# Allegro board 038RT-9068CJK8E-A100_0921.brd (continued)
## Routing (per net, layer and track width the routed paths; a pad name or vN(x,y) marks a point on that pad's centre or on a via; arc(x,y) is an arc through that point) (continued)
SLOT2.CH51: length 252.7
  L21_SIGNAL w0.105: SLOT2-DOWN.A11 256.81,111.66 250.96,111.66 250.25,110.95 248.37,110.95 247.55,111.77 240.24,111.77 237.78,114.24 237.78,154.27 232.64,159.41 197.5,159.41 178.22,178.69 111.74,178.69 102.85,187.58 102.85,228.44 v1(102.23,229.07)
  BOTTOM w0.115: v1(102.23,229.07) RR515.2
SLOT2.CH52: length 245.9
  L21_SIGNAL w0.105: v1(104.26,229.07) 103.36,228.17 103.36,188.09 112,179.45 178.54,179.45 196.9,161.09 233.23,161.09 238.44,155.88 238.44,117.86 242.45,113.84 247.51,113.84 248.4,112.95 250.49,112.95 251.09,113.55 252.83,113.55 SLOT2-DOWN.C11
  BOTTOM w0.115: v1(104.26,229.07) RR514.2
SLOT2.CH53: length 255.5
  L21_SIGNAL w0.105: SLOT2-DOWN.B10 254.79,109.64 250.89,109.64 250.15,108.9 248.42,108.9 247.52,109.8 239.43,109.8 236.6,112.64 236.6,153.51 232,158.1 197.73,158.1 177.91,177.93 111.49,177.93 102.47,186.94 102.47,227.58 101.46,228.6 101.46,229.87 v1(100.2,231.13)
  BOTTOM w0.115: v1(100.2,231.13) RR511.2
SLOT2.CH54: length 437.4
  L34_SIGNAL w0.105: UNK3K182.5 521.63,241.69 515.47,235.54 515.47,104.49 498.42,87.43 269.85,87.43 258.57,98.72 258.57,107.81 SLOT2-DOWN.A9
SLOT2.CH55: length 401.7
  L32_SIGNAL w0.105: UNK1K182.5 521.63,183.55 518.68,180.61 518.68,101.32 503.73,86.37 270.94,86.37 259.19,98.12 259.19,106.81 258.3,107.7 254.68,107.7 SLOT2-DOWN.C9
SLOT2.CH56: length 297.6
  L34_SIGNAL w0.105: UNK2K182.5 148.19,255.68 148.19,189.61 146.73,188.15 146.73,182.31 148.32,180.72 148.32,126.66 187.1,87.88 235.57,87.88 242.3,94.62 242.3,103.89 246.24,107.82 247.63,107.82 248.52,108.71 249.79,108.71 250.94,107.57 254.81,107.57 SLOT2-DOWN.B8
SLOT2.CH57: length 263.5
  L21_SIGNAL w0.105: SLOT2-DOWN.A7 256.82,105.56 251.19,105.56 250.49,104.86 248.64,104.86 247.89,105.61 246.86,105.61 246.14,104.89 238.16,104.89 235.4,107.65 235.4,149.59 230.26,154.74 196.25,154.74 176.49,174.5 110.22,174.5 101.46,183.26 101.46,225.04 97.43,229.07 v1(96.13,229.07)
  BOTTOM w0.115: v1(96.13,229.07) RR512.2
SLOT2.CH58: length 243.9
  L32_SIGNAL w0.105: K182.5 164.45,225.53 164.45,198.37 163.43,197.36 163.43,189.61 162.04,188.21 162.04,181.99 154.16,174.12 154.16,117.73 180.7,91.19 234.17,91.19 235.31,92.33 235.31,100.97 237.85,103.5 244.59,103.5 246.87,105.79 247.76,105.79 248.52,105.03 250.55,105.03 251.19,105.66 252.71,105.66 SLOT2-DOWN.C7
SLOT2.CH59: length 265.9
  L21_SIGNAL w0.105: SLOT2-DOWN.B6 254.71,103.67 250.97,103.67 250.34,103.04 248.4,103.04 247.53,103.9 237.18,103.9 234.6,106.48 234.6,148.64 229.84,153.4 196.33,153.4 176.12,173.61 109.84,173.61 100.95,182.5 100.95,225.04 97.77,228.22 95.74,228.22 95.11,228.85 95.11,230.13 v1(94.1,231.13)
  BOTTOM w0.115: v1(94.1,231.13) RR513.2
SLOT2.CH60: length 207
  L21_SIGNAL w0.105: S0_TAPSL1.2 98.03,42.12 98.03,67.06 117.33,86.36 237.98,86.36 243.34,91.72 243.34,97.88 245.08,99.62 247.24,99.62 248.15,100.53 249.82,100.53 250.67,99.68 256.84,99.68 SLOT2-DOWN.A5
  BOTTOM w0.115: RD80.2 S0_TAPSL1.2
SLOT2.CH61: length 211.1
  L21_SIGNAL w0.105: SLOT2-DOWN.C5 252.71,101.66 250.67,101.66 250.14,101.13 248.38,101.13 247.98,101.54 245.63,101.54 242.26,98.17 242.26,91.68 239.81,89.23 114.62,89.23 87.87,62.48 87.87,42.12 S0_TAPSL0.2
  BOTTOM w0.115: RD79.2 S0_TAPSL0.2
SLOT2.CH62: length 153.3
  L21_SIGNAL w0.105: SLOT2-DOWN.B4 254.77,97.61 251.01,97.61 249.96,98.67 248.13,98.67 245.75,96.29 245.75,89.56 239.82,83.63 163.62,83.63 155.94,75.95 155.94,42.76 K82.3
SLOT2.CH63: length 336.8
  L21_SIGNAL w0.105: UNK1K82.3 539.72,35.93 539.72,59.84 534.62,64.95 269.65,64.95 260.97,73.62 260.97,93.41 SLOT2-DOWN.A3
SLOT2.CH64: length 154.6
  L44_SIGNAL w0.105: UNK2K7.10 133.08,430.71 133.08,425.07 157.34,400.81 244.71,400.81 251.77,393.76 SLOT2-UP.D27
SLOT2.CH65: length 184.8
  L21_SIGNAL w0.105: SLOT2-UP.F27 245.55,380.49 245.55,394.9 228.84,411.61 111.36,411.61 104.5,418.47 104.5,431.96 S2_TAPSL1.2
  BOTTOM w0.115: UNK2RD80.2 S2_TAPSL1.2
SLOT2.CH66: length 360.6
  L21_SIGNAL w0.105: SLOT2-UP.E25 249,376.46 247.76,377.7 245.92,377.7 244.65,378.97 244.65,394.53 227.95,411.23 138.41,411.23 68.94,341.76 68.94,337.57 64.37,332.99 60.69,332.99 58.78,331.09 58.78,281.05 82.15,257.68 82.15,232.92 v1(83.94,231.13)
  BOTTOM w0.115: v1(83.94,231.13) RR914.2
SLOT2.CH67: length 571.8
  TOP w0.115: v2(284.92,451.66) v2(284.92,449.12) 286.9,447.14 286.9,443.15 286.26,442.51 UNK2HOST1.26
  L19_SIGNAL w0.105: SLOT2-UP.D25 250.7,375.6 250.7,379.22 249.38,380.54 196.77,380.54 182.41,366.19 51.33,366.19 46.53,370.98 46.53,405.17 49.63,408.27 55.62,408.27 58.32,410.97 58.32,466.08 63.41,471.17 267.18,471.17 284.15,454.19 284.15,452.43 v2(284.92,451.66)
SLOT2.CH68: length 353.4
  L21_SIGNAL w0.105: SLOT2-UP.F25 244.2,377.83 244.2,393.7 227.87,410.03 140.65,410.03 93.9,363.28 93.9,360.62 62.85,329.56 62.85,278.26 84.57,256.54 84.57,230.47 v1(85.97,229.07)
  BOTTOM w0.115: v1(85.97,229.07) RR915.2
SLOT2.CH69: length 323.9
  L21_SIGNAL w0.105: v1(88,231.13) 85.84,233.3 85.84,244.86 86.47,245.49 86.47,255.78 82.53,259.71 82.53,278.76 81.14,280.16 81.14,300.48 77.58,304.04 77.58,337.69 136.54,396.65 232.49,396.65 243.7,385.44 243.7,374.78 246.71,371.77 SLOT2-UP.E23
  BOTTOM w0.115: v1(88,231.13) RR910.2
SLOT2.CH70: length 419
  L34_SIGNAL w0.105: SLOT2-UP.D23 252.7,371.48 258.17,371.48 259.32,372.62 259.32,379.33 266.28,386.29 491.47,386.29 508.87,368.89 508.87,225.66 v1(508.14,224.93)
SLOT2.CH71: length 372.8
  L32_SIGNAL w0.105: SLOT2-UP.F23 249.85,370.77 250.55,371.48 258.56,371.48 265.25,378.17 265.25,379.39 268.35,382.5 496.04,382.5 508.14,370.39 v1(508.14,269.05)
SLOT2.CH72: length 192.7
  L34_SIGNAL w0.105: v2(184.38,223.4) 185.28,224.3 185.28,257.43 187.69,259.84 187.69,279.91 189.09,281.31 189.09,287.15 195.18,293.24 195.18,311.66 198.23,314.71 224.14,314.71 234.43,324.99 234.43,364.11 238.08,367.77 SLOT2-UP.E21
SLOT2.CH73: length 161.8
  L32_SIGNAL w0.105: SLOT2-UP.D21 248.54,366.54 247.89,365.89 246.62,365.89 245.35,367.16 236.33,367.16 235.31,366.14 235.31,324.74 232.01,321.44 191.88,321.44 183.24,312.8 183.24,268.68 v2(182.09,267.53)
SLOT2.CH74: length 324.6
  L21_SIGNAL w0.102: 84.36,258.65 84.41,258.6
  L21_SIGNAL w0.105: 84.41,258.6 89.52,253.49 89.52,229.59 v1(90.04,229.07) ; 84.36,258.65 84.06,258.95 84.06,281.69 82.28,283.46 82.28,336.68 140.33,394.73 232.89,394.73 242.02,385.59 242.02,366.04 243.19,364.87 245.38,364.87 SLOT2-UP.F21
  BOTTOM w0.115: v1(90.04,229.07) RR911.2
SLOT2.CH75: length 328.7
  L21_SIGNAL w0.102: 84.44,273.84 84.44,259.08 84.92,258.6
  L21_SIGNAL w0.105: 84.92,258.6 90.53,252.98 90.53,244.47 91.42,243.59 91.42,229.71 v1(92.07,229.07) ; 84.44,273.84 84.44,281.94 82.91,283.46 82.91,336.8 140.48,394.37 232.74,394.37 241.66,385.44 241.66,362.84 242.17,362.33 245.6,362.33 247.04,363.77 SLOT2-UP.E19
  BOTTOM w0.115: v1(92.07,229.07) RR913.2
SLOT2.CH76: length 185
  L21_SIGNAL w0.105: SLOT2-UP.D19 252.95,363.73 258.43,363.73 265.41,370.71 265.41,380.49 272.4,387.48 289.8,387.48 299.7,377.57 299.7,332.36 316.85,315.21 316.85,277.88 315.83,276.86 315.83,271.14 v1(313.76,269.07)
SLOT2.CH77: length 256.9
  L21_SIGNAL w0.105: v1(83.94,291.13) 83.94,293.38 95.11,304.55 95.11,345.59 141.34,391.83 234.01,391.83 240.14,385.7 240.14,362.58 240.9,361.82 246.33,361.82 SLOT2-UP.F19
  BOTTOM w0.115: v1(83.94,291.13) UNK2RR914.2
SLOT2.CH78: length 261.8
  L21_SIGNAL w0.105: SLOT2-UP.E17 247.1,359.77 245.86,358.52 241.41,358.52 239.76,360.17 239.76,385.44 233.89,391.32 141.55,391.32 95.61,345.38 95.61,303.28 87.87,295.53 87.87,293.37 87.23,292.74 87.23,290.33 v1(85.97,289.07)
  BOTTOM w0.115: v1(85.97,289.07) UNK2RR915.2
SLOT2.CH79: length 176
  L21_SIGNAL w0.105: SLOT2-UP.D17 252.64,359.41 260.33,359.41 270.11,369.19 270.11,378.71 275.07,383.67 287.77,383.67 294.88,376.56 294.88,328.8 309.23,314.45 309.23,280.54 310.59,279.19 v1(310.59,269.07)
SLOT2.CH80: length 257.8
  L21_SIGNAL w0.105: v1(88,291.13) 89.77,292.9 89.77,296.55 96.25,303.02 96.25,345.12 141.81,390.68 232.8,390.68 238.36,385.13 238.36,358.14 239.38,357.12 245.63,357.12 SLOT2-UP.F17
  BOTTOM w0.115: v1(88,291.13) UNK2RR910.2
SLOT2.CH81: length 259.5
  L21_SIGNAL w0.105: v1(90.04,289.07) 91.42,290.45 91.42,296.04 97.01,301.62 97.01,344.81 142.13,389.92 232.49,389.92 237.98,384.43 237.98,357.25 239.47,355.77 SLOT2-UP.E15
  BOTTOM w0.115: v1(90.04,289.07) UNK2RR911.2
SLOT2.CH82: length 146.4
  L21_SIGNAL w0.102: v1(282.9,262.22) 283.3,261.82 283.3,258.6 283.3,258.6
  L21_SIGNAL w0.105: 283.3,258.6 283.3,257.74 281.08,255.52 259.32,255.52 252.21,262.64 252.21,275.84 254.36,278 254.36,289.69 262.75,298.07 262.75,352.3 259.44,355.6 252.83,355.6 SLOT2-UP.D15
SLOT2.CH83: length 253.8
  L21_SIGNAL w0.105: v1(92.07,289.07) 93.58,290.58 93.58,297.05 100.82,304.29 100.82,346.46 141.64,387.27 234,387.27 237.47,383.79 237.47,356.74 239.45,354.77 SLOT2-UP.F15
  BOTTOM w0.115: v1(92.07,289.07) UNK2RR913.2
SLOT2.CH84: length 255.1
  L21_SIGNAL w0.105: SLOT2-UP.E13 238.01,351.77 236.97,352.81 236.97,383.54 233.77,386.73 141.86,386.73 101.46,346.33 101.46,303.78 95.49,297.81 95.49,292.52 v1(94.1,291.13)
  BOTTOM w0.115: v1(94.1,291.13) UNK2RR513.2
SLOT2.CH85: length 119.5
  L21_SIGNAL w0.105: SLOT2-UP.D13 252.63,351.41 259.06,351.41 261.22,349.25 261.22,312.55 252.59,303.91 225.03,303.91 222.36,301.24 222.36,274.68 v1(223.73,273.31)
SLOT2.CH86: length 412.4
  L34_SIGNAL w0.105: UNK1K180.5 489.06,229.82 489.06,238.25 486.9,240.41 486.9,269.62 484.21,272.31 484.21,297.78 478.93,303.06 478.93,375.2 470.36,383.77 267.48,383.77 260.33,376.62 260.33,355.41 258.57,353.64 251.89,353.64 249.01,350.77 SLOT2-UP.F13
SLOT2.CH87: length 362.4
  L32_SIGNAL w0.105: SLOT2-UP.E11 250.05,348.81 250.05,350.65 250.81,351.41 258.43,351.41 263.13,356.11 263.13,372.35 271.57,380.79 471.52,380.79 481.06,371.25 481.06,322.45 489.06,314.45 489.06,273.94 UNK3K180.5
SLOT2.CH88: length 165.7
  L34_SIGNAL w0.105: SLOT2-UP.F11 246.71,346.2 239.12,346.2 236.97,344.04 236.97,320.93 228.46,312.42 206.99,312.42 201.41,306.83 201.41,281.94 203.44,279.91 203.44,259.71 200.9,257.18 200.9,221.07 K180.5
SLOT2.CH89: length 124.2
  L32_SIGNAL w0.105: UNK2K180.5 198.48,265.32 198.48,311.91 205.22,318.64 233.66,318.64 237.22,322.2 237.22,342.01 238.97,343.77 SLOT2-UP.E9
SLOT2.CH90: length 261.9
  L21_SIGNAL w0.105: SLOT2-UP.F9 238.62,342.77 236.46,344.93 236.46,383.29 233.55,386.2 142.09,386.2 102.09,346.2 102.09,300.48 97.27,295.66 97.27,290.2 v1(96.13,289.07)
  BOTTOM w0.115: v1(96.13,289.07) UNK2RR512.2
SLOT2.CH91: length 263.8
  L21_SIGNAL w0.105: SLOT2-UP.E7 238.96,339.77 235.95,342.77 235.95,382.78 233.25,385.48 142.38,385.48 102.6,345.69 102.6,299.08 99.3,295.78 99.3,290.2 v1(98.16,289.07)
  BOTTOM w0.115: v1(98.16,289.07) UNK2RR510.2
SLOT2.CH92: length 258.2
  L21_SIGNAL w0.105: v1(100.2,291.13) 101.33,292.27 101.33,295.91 103.23,297.81 103.23,345.06 142.07,383.89 233.31,383.89 235.44,381.76 235.44,341.88 239.38,337.95 246.45,337.95 SLOT2-UP.F7
  BOTTOM w0.115: v1(100.2,291.13) UNK2RR511.2
SLOT2.CH93: length 261.4
  L21_SIGNAL w0.105: SLOT2-UP.E5 238.64,335.77 234.81,339.6 234.81,381.25 232.98,383.08 142.4,383.08 107.3,347.98 107.3,296.93 103.23,292.86 103.23,290.07 v1(102.23,289.07)
  BOTTOM w0.115: v1(102.23,289.07) UNK2RR515.2
SLOT2.CH94: length 257.7
  L21_SIGNAL w0.105: SLOT2-UP.F5 246.76,335.28 237.98,335.28 234.17,339.09 234.17,380.62 232.61,382.18 142.77,382.18 107.93,347.34 107.93,295.02 105.52,292.61 105.52,290.33 v1(104.26,289.07)
  BOTTOM w0.115: v1(104.26,289.07) UNK2RR514.2
SLOT2.CH95: length 257.4
  L21_SIGNAL w0.105: SLOT2-UP.E3 238.19,331.77 233.66,336.3 233.66,379.86 232.24,381.29 143.15,381.29 108.82,346.96 108.82,293.66 v1(106.29,291.13)
  BOTTOM w0.115: v1(106.29,291.13) UNK2RR912.2
SLOT2.CH96: length 297.2
  L07_SIGNAL w0.1: K56.2 61,150.81 61.1,150.91 61.1,161.22 61,161.33 K58.3
  L19_SIGNAL w0.1: 235.59,139.6 237.95,141.96 248.88,141.96 SLOT2-DOWN.E25 ; 160.28,81.77 150.5,91.55 ; 65.37,151.53 64.27,152.64 61.81,152.64 61.1,151.93 61.1,150.91 61,150.81 K56.2
  L19_SIGNAL w0.105: 160.28,81.77 224.81,81.77 235.59,92.55 235.59,139.6 ; 150.5,91.55 105.86,91.55 65.37,132.04 65.37,151.53
SLOT2.CH97: length 300.6
  L07_SIGNAL w0.1: K56.7 61.57,150.81 61.47,150.91 61.47,161.22 61.57,161.33 K58.6
  L19_SIGNAL w0.1: SLOT2-DOWN.D24 249.53,140.84 248.52,140.84 247.77,141.6 238.1,141.6 235.95,139.45 ; 160.13,81.41 150.35,91.19 ; K56.7 61.57,150.81 61.47,150.91 61.47,151.78 61.96,152.27 64.12,152.27 65.01,151.38
  L19_SIGNAL w0.105: 235.95,139.45 235.95,92.4 224.96,81.41 160.13,81.41 ; 150.35,91.19 105.71,91.19 65.01,131.89 65.01,151.38
SLOT2.CH98: length 324.9
  L07_SIGNAL w0.1: K52.2 53.96,150.81 54.06,150.91 54.06,161.22 53.96,161.33 K54.3
  L19_SIGNAL w0.1: K52.2 53.96,150.81 54.06,150.71 54.06,141.58 46.47,133.99 ; 238.35,135.53 240.74,137.92 242.93,137.92 244.59,139.57 246.54,139.57 SLOT2-DOWN.F24 ; 158.58,79.77 150.73,87.63
  L19_SIGNAL w0.105: 150.73,87.63 65.11,87.63 46.47,106.28 46.47,133.99 ; 238.35,135.53 238.35,91.49 226.63,79.77 158.58,79.77
SLOT2.CH99: length 327
  L07_SIGNAL w0.1: K54.6 54.52,161.33 54.42,161.22 54.42,150.91 54.52,150.81 K52.7
  L19_SIGNAL w0.1: 158.73,80.14 150.88,87.99 ; 46.83,133.83 54.42,141.43 54.42,150.71 54.52,150.81 K52.7 ; SLOT2-DOWN.E23 248.4,138.44 248.4,139.06 247.52,139.94 244.44,139.94 242.78,138.29 240.59,138.29 237.98,135.68
  L19_SIGNAL w0.105: 150.88,87.99 65.26,87.99 46.83,106.43 46.83,133.83 ; 158.73,80.14 226.48,80.14 237.98,91.64 237.98,135.68
SLOT2.CH100: length 203.3
  L19_SIGNAL w0.1: 239.78,134.26 241.39,135.87 247.78,135.87 249.04,134.61 SLOT2-DOWN.D22 ; 135.87,75.56 123.55,63.25 123.55,51.82 122.79,51.05 121.4,51.05 120.77,51.68 120.77,52.52 120.87,52.62 K243.2
  L19_SIGNAL w0.105: 239.78,134.26 239.78,87.54 227.8,75.56 135.87,75.56
SLOT2.CH101: length 199.1
  L19_SIGNAL w0.1: 240.14,134.11 241.54,135.51 246.6,135.51 SLOT2-DOWN.F22 ; K243.7 120.3,52.62 120.4,52.52 120.4,51.53 121.25,50.69 122.94,50.69 123.92,51.67 123.92,63.1 136.02,75.2
  L19_SIGNAL w0.105: 240.14,134.11 240.14,87.39 227.95,75.2 136.02,75.2
SLOT2.CH102: length 483.7
  L34_SIGNAL w0.105: UNK3K232.4 519.98,274.45 516.49,274.45 515.73,273.69 515.73,260.22 519.03,256.92 519.03,246.04 510.97,237.98 510.97,104.94 495.61,89.59 273.75,89.59 259.83,103.51 259.83,131.95 257.94,133.84 SLOT2-DOWN.E21
SLOT2.CH103: length 435
  L32_SIGNAL w0.105: UNK1K232.4 520.16,230.5 516.87,230.5 515.48,229.11 515.48,103.16 501.44,89.12 274,89.12 262.49,100.63 262.49,126.24 259.06,129.67 252.71,129.67 SLOT2-DOWN.D20
SLOT2.CH104: length 268.1
  L34_SIGNAL w0.105: SLOT2-DOWN.F20 245.85,129.41 237.98,129.41 236.33,127.76 236.33,93.73 233.79,91.19 196.34,91.19 175.12,112.41 175.12,152.27 168.61,158.78 UNK2K232.4
SLOT2.CH105: length 167.8
  L32_SIGNAL w0.105: SLOT2-DOWN.E19 246.28,129.84 240.01,123.57 226.17,123.57 225.03,124.71 223.63,124.71 222.49,123.57 201.15,123.57 199.88,124.84 198.74,124.84 197.98,124.08 182.74,124.08 177.53,129.29 177.53,156.97 170.9,163.61 K232.4
SLOT2.CH106: length 189.9
  L19_SIGNAL w0.1: K241.2 127.22,52.62 127.12,52.52 127.12,51.68 127.62,51.18 129.9,51.18 130.92,52.2 130.92,64.77 139.81,73.66 ; SLOT2-DOWN.D18 248.91,126.61 247.52,128 243.67,128 242.06,126.39
  L19_SIGNAL w0.105: 139.81,73.66 228.6,73.66 242.06,87.12 242.06,126.39
SLOT2.CH107: length 185.8
  L19_SIGNAL w0.1: 139.96,73.3 131.28,64.62 131.28,52.05 130.06,50.82 127.47,50.82 126.75,51.53 126.75,52.52 126.65,52.62 K241.7 ; SLOT2-DOWN.F18 246.47,127.64 243.82,127.64 242.43,126.24
  L19_SIGNAL w0.105: 242.43,126.24 242.43,86.97 228.75,73.3 139.96,73.3
SLOT2.CH108: length 175.2
  L19_SIGNAL w0.1: K242.2 134.27,53.82 134.37,53.92 134.37,62.25 143.49,71.37 231.96,71.37 243.59,83 243.59,124.61 244.94,125.97 248.87,125.97 SLOT2-DOWN.E17
SLOT2.CH109: length 178.6
  L19_SIGNAL w0.1: SLOT2-DOWN.D16 249.54,124.84 248.65,124.84 247.89,125.6 245.09,125.6 243.95,124.46 243.95,82.85 232.11,71.01 143.64,71.01 134.74,62.1 134.74,53.92 134.84,53.82 K242.7
SLOT2.CH110: length 163.4
  L19_SIGNAL w0.1: 245.11,120.67 SLOT2-DOWN.F16 ; K240.2 140.62,53.82 140.72,53.92 140.72,61.75 148.07,69.09
  L19_SIGNAL w0.105: 148.07,69.09 231.58,69.09 245.11,82.62 245.11,120.67
SLOT2.CH111: length 164.3
  L19_SIGNAL w0.1: 245.47,120.52 246.79,121.84 SLOT2-DOWN.E15 ; 148.22,68.72 141.09,61.59 141.09,53.92 141.19,53.82 K240.7
  L19_SIGNAL w0.105: 148.22,68.72 231.73,68.72 245.47,82.47 245.47,120.52
SLOT2.CH112: length 125.6
  TOP w0.115: HOST1.26 220.26,33.66 219.61,33.02 219.61,29.03 v2(221.59,27.05)
  L19_SIGNAL w0.102: 225.78,41.53 224.9,40.64
  L19_SIGNAL w0.105: 225.78,41.53 226.83,42.58 237.62,42.58 245.26,50.22 245.26,60.15 249.82,64.72 249.82,116.67 SLOT2-DOWN.D14 ; v2(221.59,24.51) 222.27,25.19 222.27,34.62 224.54,36.89 224.54,40.28 224.9,40.64
  L40_SIGNAL w0.105: v2(221.59,27.05) v2(221.59,24.51)
SLOT2.CH113: length 262.9
  L11_SIGNAL w0.102: v1(281.3,203.02) 280.9,203.42 277.68,203.42
  L11_SIGNAL w0.105: 277.68,203.42 276.95,203.42 274.66,201.13 220.19,201.13 218.41,199.35 166.85,199.35 v2(164.21,196.71)
  L21_SIGNAL w0.105: v2(164.21,196.71) 165.49,197.99 173.38,197.99 182.64,188.73 190.53,188.73 196.05,183.22 196.05,174.74 203.92,166.87 235.95,166.87 243.07,159.74 243.07,123.04 SLOT2-DOWN.F14
SLOT2.CH114: length 160.5
  L21_SIGNAL w0.105: K232.5 169.66,218.32 169.66,201.68 172.32,199.01 174.04,199.01 183.09,189.95 190.84,189.95 197.2,183.59 197.2,175.04 204.07,168.17 236.17,168.17 250.22,154.11 250.22,119.06 SLOT2-DOWN.E13
SLOT2.CH115: length 120.2
  TOP w0.115: v2(223.12,27.05) 220.89,29.28 220.89,32.82 220.66,33.06 HOST1.27
  L19_SIGNAL w0.105: SLOT2-DOWN.D12 250.7,113.54 250.7,64.6 246.2,60.1 246.2,49.92 237.97,41.68 228.38,41.68 226.73,40.03 226.73,35.32 223.76,32.35 223.76,25.16 v2(223.12,24.51)
  L40_SIGNAL w0.105: v2(223.12,27.05) v2(223.12,24.51)
SLOT2.CH116: length 219
  L21_SIGNAL w0.105: v1(115.62,219.45) 116.19,218.88 116.19,182.75 117.71,181.23 179.28,181.23 197.96,162.55 233.89,162.55 239.76,156.68 239.76,117.93 242.86,114.84 SLOT2-DOWN.F12
  BOTTOM w0.115: v1(115.62,219.45) RR930.2
SLOT2.CH117: length 237.4
  L21_SIGNAL w0.105: SLOT2-DOWN.E11 248.17,114.67 248.17,115.33 247.57,115.93 243.3,115.93 240.37,118.86 240.37,157.9 234.5,163.77 197.46,163.77 179.49,181.74 120.38,181.74 118.09,184.02 118.09,222.88 109.84,231.13 v1(106.29,231.13)
  BOTTOM w0.115: v1(106.29,231.13) RR912.2
SLOT2.CH118: length 445.9
  L34_SIGNAL w0.105: UNK3K182.4 520.56,262.61 520.56,245.43 512.21,237.09 512.21,102.76 497.34,87.88 271.27,87.88 259.03,100.11 259.03,108.74 258.05,109.73 252.65,109.73 SLOT2-DOWN.D10
SLOT2.CH119: length 411.1
  L32_SIGNAL w0.105: UNK1K182.4 520.56,218.49 520.56,184.05 517.73,181.22 517.73,102.16 502.6,87.03 272.14,87.03 260.21,98.96 260.21,108.33 258.81,109.73 251.19,109.73 250.08,110.84 SLOT2-DOWN.F10
SLOT2.CH120: length 282.5
  L34_SIGNAL w0.105: SLOT2-DOWN.E9 246.22,109.84 239.76,103.38 239.76,93.47 235.57,89.28 191.54,89.28 150.61,130.22 150.61,188.47 148.83,190.25 148.83,241.17 149.97,242.32 149.97,256.29 166.58,272.9 UNK2K182.4
SLOT2.CH121: length 220
  L32_SIGNAL w0.105: SLOT2-DOWN.F8 240.04,106.84 234.68,101.47 226.3,101.47 225.03,102.74 223.63,102.74 222.74,103.63 201.28,103.63 200.52,102.87 198.74,102.87 197.85,103.76 170.16,103.76 155.3,118.62 155.3,171.7 163.31,179.7 163.31,188.47 164.96,190.12 164.96,225.3 168.43,228.77 K182.4
SLOT2.CH122: length 252.3
  L21_SIGNAL w0.105: SLOT2-DOWN.E7 248.24,106.6 248.24,107.29 247.71,107.82 246.38,107.82 244.62,106.07 239.49,106.07 236.06,109.5 236.06,151.47 231.15,156.39 197.29,156.39 177.28,176.4 110.09,176.4 101.96,184.53 101.96,225.27 v1(98.16,229.07)
  BOTTOM w0.115: v1(98.16,229.07) RR510.2
SLOT2.CH125: length 151.8
  L21_SIGNAL w0.105: K82.10 149.21,41.11 149.21,78.73 155.31,84.84 238.83,84.84 244.4,90.4 244.4,97.38 245.85,98.84 SLOT2-DOWN.F4
SLOT2.CH126: length 341.1
  L21_SIGNAL w0.105: SLOT2-DOWN.E3 249.91,96.93 249.91,77.56 264.73,62.74 532.31,62.74 535.88,59.16 535.88,34.7 UNK1K82.10
SLOT2.CH127: length 2218.3
  L42_SIGNAL w1.524: v2(574.09,449.66) 573.46,450.29 565.49,450.29 562.79,452.99 554.54,452.99 543,464.53 209.85,464.53 201.87,456.55 159.75,456.55 144.75,471.55 64.95,471.55 56.31,480.19 31.92,480.19 28.07,476.33 21.4,476.33 17.1,472.03 17.1,421.74 BST_P45V.1
  L44_SIGNAL w0.105: v2(157.88,452.68) 158.69,451.87 203.56,451.87 219.06,467.36 564.88,467.36 575.42,456.82 575.42,450.99 v2(574.09,449.66) 575.29,448.45 575.29,294.13 589.39,280.03 589.39,237.24 587.87,235.71 587.87,229.49 589.64,227.71 606.66,227.71 608.82,225.55 608.82,213.74 607.17,212.09 607.17,195.58 606.54,194.94 606.54,190.75 608.19,189.1 608.19,174.24 601.46,167.51 601.46,130.81 580.63,109.98 580.63,59.94 574.28,53.59 574.28,42.02 v2(573.67,41.41) 559.16,26.9 559.16,13.34 550.91,5.08 126.73,5.08 114.54,17.27 114.54,34.15 v2(116.24,35.84) 115.55,36.53 115.55,41.15 114.54,42.16 109.33,42.16 107.68,43.81 107.68,60.83 115.05,68.2 233.79,68.2 244.84,79.25 244.84,92.4 SLOT2-DOWN.F2
SLOT2.DGS0: length 0.5
  TOP w0.254: SLOT2-DOWN.B26 255.76,142.62 UNK2STB00.1
SLOT2.DGS64: length 0.5
  TOP w0.254: UNK2STB64.1 255.76,334.55 SLOT2-UP.B5
SLOT2.UB0: length 374.1
  L24_RLY w0.203: SLOT2-DOWN.A1 257.77,84.17 248.4,74.8 137.52,74.8 97.65,114.68 97.65,138.81 95.23,141.22 51.67,141.22 48.75,144.14 48.75,168.28 61.32,180.85 61.32,236.98 59.68,238.62 v1(52.25,238.62)
  BOTTOM w0.254: v1(52.25,238.62) 52.25,237.28 RU7.1
SLOT2.UB1: length 1503.4
  L24_RLY w0.203: SLOT2-DOWN.B2 256.78,93.6 256.78,88.14 244.97,76.33 138.29,76.33 99.55,115.06 99.55,140.59 96.12,144.02 68.41,144.02 64.56,147.86 64.56,152.85 63.4,154.01 K56.8 62.89,153.51 61.49,152.11 61.49,145.99 59.97,144.47 51.38,144.47 49.67,146.18 49.67,168.18 62.08,180.58 62.08,260.72 61.01,261.79 61.01,317.28 65.93,322.2 65.93,375.51 64.87,376.57 UNK2K56.8 ; UNK1K56.8 639.96,154.91 639.96,173.49 648.19,181.73 648.19,196.9 657.34,206.05 657.34,221.39 655.27,223.46 655.27,233.72 657.34,235.79 657.34,272.88 655.3,274.92 655.3,284.48 648.19,291.59 648.19,354.33 647.16,355.36 UNK3K56.8
  L46_SIGNAL w0.203: UNK3K56.8 644.64,358.25 644.64,369.57 637.02,377.19 637.02,405.32 571.55,470.79 133.02,470.79 124.13,461.9 55.55,461.9 53.58,459.93 53.58,419.42 49.26,415.1 49.26,395.35 52.43,392.18 58.91,392.18 61.32,389.76 61.32,378.13 UNK2K56.8
SLOT2.UB2: length 1532.5
  L24_RLY w0.203: SLOT2-DOWN.C1 253.77,90.61 242.02,78.87 139.34,78.87 102.09,116.11 102.09,150.62 100.06,152.65 67.35,152.65 64.12,155.88 59.67,155.88 56.6,152.81 54.91,152.81 54.3,153.42 54.3,165.18 K54.8 57.11,165.45 66.26,165.45 68.32,167.51 68.32,199.13 66.54,200.91 66.54,210.99 66.02,211.5 66.02,241.13 68.32,243.42 68.32,258.83 66.47,260.68 66.47,266.77 65.78,267.45 65.78,290.44 64,292.21 64,316.6 68.32,320.92 68.32,386.38 64,390.69 57.25,390.69 UNK2K54.8 ; UNK1K54.8 634.7,171.16 646.16,182.63 646.16,199.92 654.29,208.05 654.29,221.67 653.69,222.26 653.69,234.95 654.29,235.54 654.29,273.06 653.27,274.07 653.27,282.7 646.16,289.81 646.16,351.54 644.38,353.31 630.73,353.31 629.46,354.58 629.46,365.43 630.42,366.39 633.01,366.39 UNK3K54.8
  L46_SIGNAL w0.203: UNK3K54.8 636.63,366.14 636.63,355.35 638.03,353.95 642.73,353.95 645.52,356.74 645.52,370.21 637.9,377.82 637.9,407.97 574.2,471.68 132.65,471.68 123.76,462.79 55.18,462.79 52.69,460.3 52.69,419.78 48.37,415.47 48.37,393.32 50.78,390.91 54.22,390.91 UNK2K54.8
SLOT2.UB3: length 1481.6
  L24_RLY w0.203: SLOT2-DOWN.C3 254.75,95.63 254.75,88.71 243.25,77.22 138.65,77.22 100.44,115.43 100.44,140.96 96.49,144.91 68.72,144.91 65.28,148.35 65.28,153.66 63.75,155.2 61.8,155.2 61.28,154.69 61.28,153.34 60.06,152.11 52.03,152.11 50.41,153.73 50.41,167.42 51.44,168.45 61.16,168.45 K58.8 64.07,166.73 67.3,169.96 67.3,198.71 65.52,200.48 65.52,210.56 65.01,211.08 65.01,241.55 67.3,243.84 67.3,258.68 65.58,260.41 65.58,266.13 64.76,266.95 64.76,289.93 62.98,291.71 62.98,316.85 67.3,321.17 67.3,384.87 UNK2K58.8 ; UNK3K58.8 642.32,368.07 649.21,361.19 649.21,292.1 656.32,284.99 656.32,275.34 658.21,273.44 658.21,235.52 655.99,233.3 655.99,224.14 658.35,221.78 658.35,205.79 649.21,196.65 649.21,181.25 641.74,173.78 UNK1K58.8
  L46_SIGNAL w0.203: UNK2K58.8 59.36,392.81 53.58,392.81 50.02,396.37 50.02,414.78 54.34,419.1 54.34,459.61 55.86,461.14 124.44,461.14 133.33,470.03 571.23,470.03 636.25,405 636.25,375.72 641.74,370.23 UNK3K58.8
SLOT2.UB4: length 218.8
  L24_RLY w0.203: v1(143.8,210.38) 145.58,210.38 147.94,208.03 157.97,208.03 170.8,195.2 170.8,98.3 179.69,89.41 250.05,89.41 251.77,91.13 SLOT2-DOWN.D1
  BOTTOM w0.254: RU25.1 143.81,210.37 v1(143.8,210.38)
SLOT2.UB5: length 1547.5
  L24_RLY w0.203: UNK2K52.8 54.29,378.12 54.29,390.39 55.76,391.86 64.31,391.86 69.33,386.83 69.33,320.66 65.01,316.34 65.01,292.86 66.79,291.08 66.79,267.96 68.12,266.64 68.12,260.3 69.33,259.08 69.33,243 67.04,240.7 67.04,211.92 70.6,208.36 70.6,200.58 69.33,199.31 69.33,165.36 68.77,164.8 58.48,164.8 57.4,163.72 57.4,158.96 55.23,156.79 55.23,154.62 K52.8 59.08,157.25 68.44,157.25 71.89,153.8 100.53,153.8 103.23,151.1 103.23,116.59 139.81,80.01 241.66,80.01 252.71,91.06 252.71,93.66 SLOT2-DOWN.D2 ; UNK1K52.8 636.73,155.15 636.73,171.59 647.18,182.03 647.18,199.34 656.32,208.48 656.32,220.95 654.5,222.77 654.5,233.97 656.32,235.79 656.32,272.46 654.29,274.49 654.29,283.97 647.18,291.08 647.18,352.04 645.14,354.08 635.98,354.08 UNK3K52.8
  L46_SIGNAL w0.203: UNK2K52.8 54.59,377.82 54.59,386.97 53.58,387.99 50.4,387.99 47.74,390.65 47.74,415.73 52.05,420.05 52.05,460.56 54.92,463.42 123.5,463.42 132.39,472.31 574.46,472.31 638.54,408.24 638.54,378.71 646.29,370.97 646.29,356.11 643.49,353.31 636.74,353.31 UNK3K52.8
